# Altium PCB 2019.07.15.master.PcbDoc (part 6 of 7)
Units mm, origin at the board's own origin, x right, y up, seen from the top; angles counter-clockwise.
Board outline 160 x 120 mm, 6 copper layers (Top Signal, Top GND, Inner PWR, Inner Signal, Bottom GND, Bottom Signal), stack 1.571 mm thick; 408 components, 388 nets, 1700 pads, 1310 vias.
Unrouted connection lines stored in the file: 2.
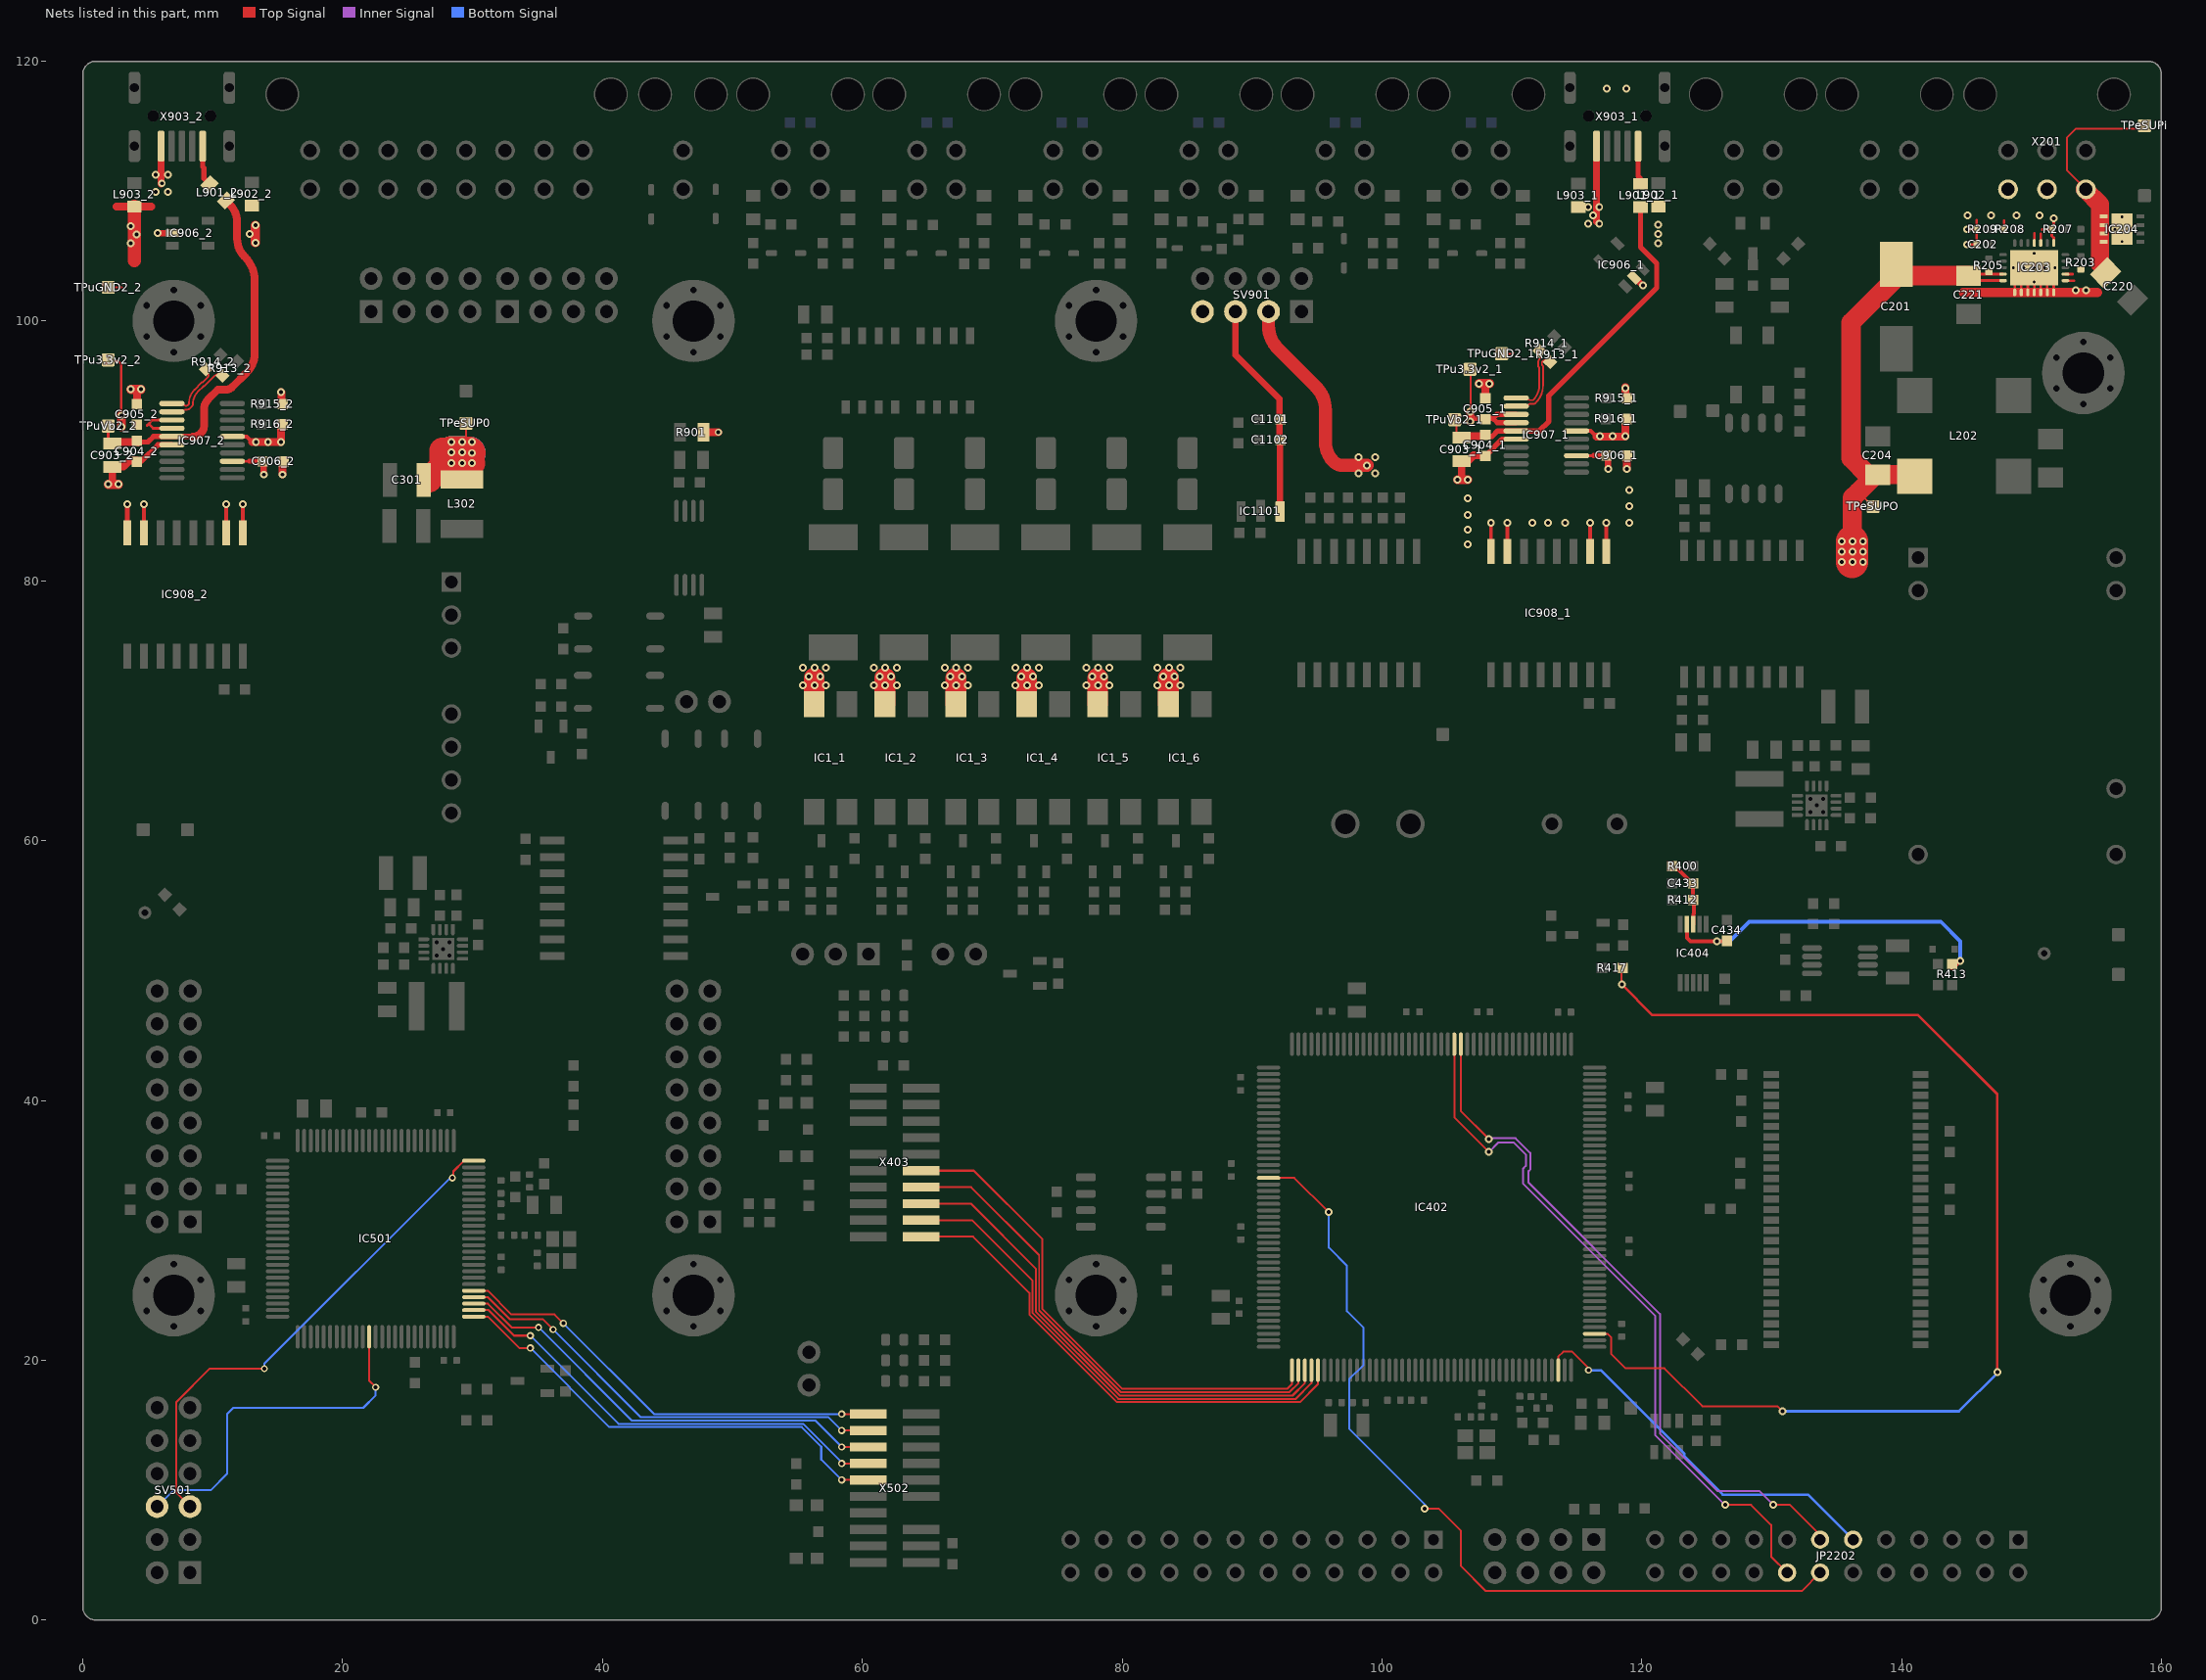
[diagram p10: the nets of this part, all layers, seen from the top]

## Via types
v1: diameter 0.6, hole 0.3, Top Signal to Bottom Signal, 988 vias
v2: diameter 0.55, hole 0.3, Top Signal to Bottom Signal, tented both sides, 231 vias
v3: diameter 0.5, hole 0.3, Top Signal to Bottom Signal, tented both sides, 42 vias
v4: diameter 0.45, hole 0.2, Top Signal to Bottom Signal, 31 vias
v5: diameter 0.55, hole 0.3, Top Signal to Bottom Signal, 12 vias
v6: diameter 0.6, hole 0.3, Top Signal to Bottom Signal, tented both sides, 5 vias
v7: diameter 0.5, hole 0.3, Top Signal to Bottom Signal, 1 vias

## Nets (pads, with @x,y where several pads share a name; then routed paths per layer and width w, separated by ;. In a path a pad name is that pad's centre, name@x,y a point inside that pad or via, vN(x,y) a via of type N, cw(c..) or ccw(c..) an arc to the next point about the centre after c; other vN are vias at no path point) (continued)
PIEZO_MCU_0_PWM: IC402.47 R417.2 | length 90.7
  Top Signal w0.15: IC402.47@116.372,22.034 117.374,22.034 117.638,21.769 117.638,20.498 118.756,19.38 121.741,19.38 124.662,16.459 130.429,16.459 v1(130.824,16.064) v1@130.886,16.002 ; R417.2@118.429,50.185 118.429,48.957 v1(118.466,48.92)
  Top Signal w0.2: v1(118.466,48.92) 120.815,46.571 141.266,46.571 147.365,40.472 v1(147.365,19.101)
  Bottom Signal w0.2: v1(130.824,16.064) 144.41,16.064 v1@147.447,19.101
RS485_MCU_0_DE: IC402.107 JP2202.16 | length 54.8
  Top Signal w0.15: IC402.107@105.573,44.334 105.573,38.702 v1(108.238,36.037) ; v1(126.438,8.865) 128.422,8.865 129.966,7.321 129.966,4.876 JP2202.16@131.192,3.65
  Inner Signal w0.15: v1(108.238,36.037) 108.944,36.744 110.151,36.744 111.073,35.822 111.073,34.962 110.871,34.761 110.871,33.59 121.049,23.413 121.049,14.205 v1@126.414,8.84
RS485_MCU_0_NRE: IC402.106 JP2202.13 | length 53.7
  Top Signal w0.15: IC402.106@106.072,44.334 106.072,39.189 v1(108.236,37.025) ; v1(130.124,8.865) 131.42,8.865 133.732,6.552 JP2202.13@133.732,6.19
  Inner Signal w0.15: v1(108.236,37.025) 108.305,37.094 110.296,37.094 111.426,35.964 111.426,34.68 111.28,34.535 111.28,33.677 121.399,23.558 121.399,14.35 125.818,9.931 129.058,9.931 v1(130.124,8.865)
RS485_MCU_0_RX: IC402.150 JP2202.14 | length 67.9
  Top Signal w0.15: IC402.150@91.273,34.034 93.25,34.034 95.91,31.373 v1(95.91,31.395)
  Top Signal w0.152: v1(103.278,8.558) 104.396,8.558 106.07,6.883 106.07,4.166 108.001,2.235 132.317,2.235 JP2202.14@133.732,3.65
  Bottom Signal w0.15: v1(95.91,31.395) 95.91,28.666 97.315,27.262 97.315,26.506 97.307,26.499 97.307,23.774 98.582,22.5 98.582,19.64 97.472,18.531 97.472,14.731 103.351,8.853 v1@103.351,8.549
RS485_MCU_0_TX: IC402.42 JP2202.11 | length 30.1
  Top Signal w0.152: IC402.42@113.572,19.234 113.572,20.269 113.958,20.654 114.638,20.654 115.898,19.395 v5(115.898,19.228)
  Bottom Signal w0.2: v5(115.898,19.228) 116.865,19.228 123.293,12.8 123.293,12.594 126.235,9.652 132.81,9.652 JP2202.11@136.272,6.19
RTN_EXT_0: C202.2 IC203.1 IC203.2 IC203.3 IC203.4 IC203.5 IC203.6 IC203.7 IC203.13 IC203.15 IC203.16 IC203.25 IC203.V R207.1 R208.1 R209.1 | length 33.3
  Top Signal w0.2: v1(145.059,105.893) C202.2@145.779,105.893 R209.1@145.779,107.061 ; v1(145.059,107.061) R209.1@145.779,107.061 ; 145.779,107.772 R209.1@145.779,107.061 ; 147.879,107.747 147.879,107.066 R208.1@147.884,107.061 ; IC203.1@148.714,102.21 148.714,102.86 149.964,104.11 IC203.25@150.214,104.11 ; IC203.2@149.214,102.21 149.214,103.11 IC203.25@149.714,103.61 ; IC203.3@149.714,102.21 IC203.25@149.714,103.61 ; IC203.4@150.214,102.21 IC203.25@150.214,104.11 ; IC203.16@150.214,106.01 150.214,106.746 ; IC203.5@150.714,102.21 IC203.25@150.714,103.61 ; IC203.15@150.714,106.01 150.714,106.719 ; 150.82,107.036 150.845,107.061 R207.1@151.57,107.061 ; IC203.6@151.214,102.21 151.214,103.11 IC203.25@150.714,103.61 ; R207.1@151.502,107.129 R207.1@151.57,107.061 ; IC203.7@151.714,102.21 151.714,102.86 150.464,104.11 IC203.25@150.214,104.11 ; IC203.13@151.714,106.01 151.714,106.411 151.57,106.556 R207.1@151.57,107.061 ; v1(151.714,107.907) 151.714,107.205 R207.1@151.57,107.061 ; IC203.25@149.714,103.61 IC203.25@150.214,104.11 ; IC203.25@150.214,104.11 IC203.25@150.714,103.61
  Top Signal w0.7: 144.743,102.21 IC203.1@148.714,102.21 IC203.2@149.214,102.21 IC203.3@149.714,102.21 IC203.4@150.214,102.21 IC203.5@150.714,102.21 IC203.6@151.214,102.21 IC203.7@151.714,102.21 155.093,102.21
  other v1: 153.427,102.354 154.198,102.354 145.077,108.136 146.878,108.136 148.841,108.136 150.609,108.136
SUPPLY_EXT_0: C201.1 C204.2 C221.2 C301.2 IC203.23 IC203.24 L202.1 L302.1 R205.2 SV901.3 TPeSUP0.1 TPeSUPO.1 | length 68.4
  Top Signal w0.1: v1@29.257,89.884 29.257,89.886 29.5,90.129
  Top Signal w0.15: 29.5,90.129 TPeSUP0.1@29.5,92.126 ; 136.207,86.381 137.139,86.381 TPeSUPO.1@137.802,85.718
  Top Signal w0.225: C221.2@145.167,103.11 IC203.24@147.814,103.11 ; C221.2@145.167,103.613 147.409,103.613 147.413,103.61 IC203.23@147.814,103.61
  Top Signal w1: SV901.3@91.27,100.73 91.27,99.647 ccw(c93.81,99.647) 92.014,97.851 94.911,94.954 cw(c93.115,93.158) 95.655,93.158 95.655,90.664 ccw(c97.716,90.664) 96.259,89.207 96.317,89.149 ccw(c96.94,89.772) 96.94,88.891 98.196,88.891 v1@98.857,88.891
  Top Signal w1.5: v1@136.198,82.269 136.207,82.279 136.207,83.038 136.207,86.381 136.673,86.847 137.963,88.137 137.988,88.162 C204.2@138.163,88.162 ; L202.1@140.538,88.178 138.163,88.178 137.374,88.178 136.113,89.439 136.113,99.874 139.727,103.488 C221.2@145.167,103.488
  Top Signal w2: C301.2@26.645,87.808 27.68,88.844 27.68,90.012 27.684,90.008 28.493,89.199 29.296,88.395 v1(29.954,89.052)
  Top Signal w2.5: v1(28.379,89.891) v1(29.185,89.891) 29.257,89.884 v1@29.766,89.84 ; v1@136.198,81.464 136.198,82.269 v1@136.198,83.038
  Bottom Signal w2.5: v1(28.379,89.891) v1(29.185,89.891) 29.257,89.884 v1@29.766,89.84
  other v1: 135.385,81.464 136.21,81.464 137.036,81.464 135.385,82.251 136.21,82.251 137.036,82.251 135.385,83.038 136.21,83.038 137.036,83.038 98.196,88.26 99.466,88.26 98.831,88.893 28.379,89.052 29.185,89.052 98.196,89.527 99.466,89.527 29.954,89.84 28.379,90.703 29.185,90.703 29.954,90.703
SUPPLY_EXT_0_IN: C220.2 IC203.8 IC203.9 IC204.1 IC204.2 IC204.3 IC204.4 R203.2 TPeSUPi.1 X201.6 | length 19.2
  Top Signal w0.15: X201.6@154.198,110.14 152.73,111.608 152.73,114.122 153.416,114.808 158.471,114.808 TPeSUPi.1@158.699,115.037
  Top Signal w0.2: IC203.8@152.614,103.11 153.273,103.11 ; IC203.9@152.614,103.61 153.162,103.61
  Top Signal w1.4: X201.6@154.114,110.145 154.158,110.101 155.27,108.989 155.27,108.046 155.27,107.396 155.27,106.746 155.27,106.096 155.27,104.4 155.655,104.016 155.655,103.91 C220.2@155.531,103.786
SUPPLY_EXT_2: C1101.1 C1102.1 IC1_1.4 IC1_2.4 IC1_3.4 IC1_4.4 IC1_5.4 IC1_6.4 IC1101.3 R901.2 SV901.5 SV901.7 X201.4 X201.5 | length 29.9
  Top Signal w0.5: SV901.5@88.73,100.73 88.73,97.391 92.111,94.009 92.111,91.999 92.162,90.325 IC1101.3@92.162,85.442
  Top Signal w0.6: R901.2@47.713,91.44 R901.2@47.763,91.44 v2(48.927,91.44)
  Top Signal w1.6: IC1_1.4@56.286,70.52 56.286,72.517 ; IC1_2.4@61.743,70.52 61.743,72.517 ; IC1_3.4@67.199,70.52 67.199,72.517 ; IC1_4.4@72.655,70.52 72.655,72.517 ; IC1_5.4@78.111,70.52 78.111,72.517 ; IC1_6.4@83.567,70.52 83.567,72.517
  other v1: 55.43,71.953 56.321,71.953 57.213,71.953 60.886,71.953 61.777,71.953 62.669,71.953 66.342,71.953 67.234,71.953 68.125,71.953 71.798,71.953 72.69,71.953 73.581,71.953 77.255,71.953 78.146,71.953 79.037,71.953 82.711,71.953 83.602,71.953 84.494,71.953 55.876,72.638 56.767,72.638 61.332,72.638 62.223,72.638 66.788,72.638 67.679,72.638 72.244,72.638 73.136,72.638 77.7,72.638 78.592,72.638 83.156,72.638 84.048,72.638 55.43,73.324 56.321,73.324 57.213,73.324 60.886,73.324 61.777,73.324 62.669,73.324 66.342,73.324 67.234,73.324 68.125,73.324 71.798,73.324 72.69,73.324 73.581,73.324 77.255,73.324 78.146,73.324 79.037,73.324 82.711,73.324 83.602,73.324 84.494,73.324
TRACECLK_MCU_0: IC402.1 X403.12 | length 40.6
  Top Signal w0.152: X403.12@64.535,34.593 68.582,34.593 73.863,29.312 73.863,23.938 80.007,17.794 92.698,17.794 93.079,18.174 93.079,19.228 IC402.1@93.073,19.234 IC402.1@93.073,18.522
TRACECLK_MCU_1: IC501.1 X502.12 | length 36
  Top Signal w0.152: IC501.1@30.293,23.354 31.189,23.354 33.603,20.94 v2(34.449,20.94) ; v2(58.42,10.78) X502.12@60.465,10.78
  Bottom Signal w0.152: v2(34.449,20.94) 40.538,14.85 55.342,14.85 56.843,13.349 56.843,12.357 v2(58.42,10.78)
TRACED0_MCU_0: IC402.2 X403.14 | length 39.4
  Top Signal w0.15: X403.14@64.535,33.323 68.379,33.323 73.612,28.09 73.612,23.834 79.906,17.54 92.874,17.54 93.572,18.238 IC402.2@93.572,19.234
TRACED0_MCU_1: IC501.2 X502.14 | length 35.1
  Top Signal w0.152: IC501.2@30.293,23.854 31.234,23.854 33.195,21.893 v2(34.449,21.893) ; v2(58.42,12.05) X502.14@60.465,12.05
  Bottom Signal w0.152: v2(34.449,21.893) 41.238,15.103 55.446,15.103 58.42,12.129 v2(58.42,12.05)
TRACED1_MCU_0: IC402.3 X403.16 | length 39
  Top Signal w0.15: X403.16@64.535,32.053 68.354,32.053 73.362,27.044 73.362,23.73 79.815,17.278 93.114,17.278 94.073,18.236 IC402.3@94.073,19.234
TRACED1_MCU_1: IC501.3 X502.16 | length 34.7
  Top Signal w0.152: IC501.3@30.293,24.354 31.182,24.354 33.009,22.528 v2(35.084,22.528) ; v2(58.42,13.32) X502.16@60.465,13.32
  Bottom Signal w0.152: v2(35.084,22.528) 42.256,15.355 56.385,15.355 v2(58.42,13.32)
TRACED2_MCU_0: IC402.4 X403.18 | length 38.7
  Top Signal w0.15: X403.18@64.535,30.783 68.455,30.783 73.112,26.126 73.112,23.627 79.711,17.028 93.379,17.028 94.572,18.221 IC402.4@94.572,19.234
TRACED2_MCU_1: IC501.4 X502.18 | length 34.4
  Top Signal w0.152: IC501.4@30.293,24.854 31.162,24.854 32.853,23.163 35.401,23.163 v2(36.195,22.369) ; v2@58.579,14.59 X502.18@60.465,14.59
  Top Signal w0.203: v2(58.42,14.59) v2@58.579,14.59
  Bottom Signal w0.152: v2(36.195,22.369) 42.956,15.608 57.402,15.608 v2(58.42,14.59)
TRACED3_MCU_0: IC402.5 X403.20 | length 38.4
  Top Signal w0.15: X403.20@64.535,29.513 68.531,29.513 72.862,25.182 72.862,23.523 79.608,16.778 93.689,16.778 95.073,18.161 IC402.5@95.073,19.234
TRACED3_MCU_1: IC501.5 X502.20 | length 34.1
  Top Signal w0.152: IC501.5@30.293,25.354 31.166,25.354 32.999,23.52 36.313,23.52 v2(36.989,22.845) ; v2(58.42,15.86) X502.20@60.465,15.86
  Bottom Signal w0.152: v2(36.989,22.845) 43.974,15.86 v2(58.42,15.86)
U_1_N: IC907_1.12 R913_1.1 | length 5.6
  Top Signal w0.14: IC907_1.12@110.333,93.447 111.027,93.447 ccw(c111.027,93.739) IC907_1.12@111.234,93.532 ; IC907_1.12@111.234,93.532 cw(c111.441,93.325) 111.441,93.618 111.634,93.618 ccw(c111.634,93.908) 111.839,93.703 ; 111.84,93.704 ccw(c110.468,95.075) 112.408,95.075 112.408,96.47 ccw(c112.25,96.47) 112.361,96.582 cw(c112.473,96.693) 112.315,96.693 112.315,96.754 cw(c112.536,96.754) 112.38,96.91 cw(c112.536,96.754) 112.536,96.975 112.87,96.975 cw(c112.87,96.766) R913_1.1@113.018,96.914
U_1_P: IC907_1.11 R914_1.1 | length 5.4
  Top Signal w0.14: IC907_1.11@110.333,94.082 111.027,94.082 cw(c111.027,93.789) IC907_1.11@111.234,93.996 ; IC907_1.11@111.234,93.996 ccw(c111.441,94.203) 111.441,93.91 111.633,93.91 ccw(c110.468,95.075) 112.116,95.075 112.116,96.349 ccw(c111.957,96.349) 112.069,96.461 cw(c112.181,96.572) 112.023,96.572 112.023,96.798 cw(c112.429,96.798) 112.142,97.086 ccw(c111.855,97.373) 112.261,97.373 112.261,97.63 ccw(c112.052,97.63) R914_1.1@112.2,97.778
U_2_N: IC907_2.12 R913_2.1 | length 5.4
  Top Signal w0.14: IC907_2.12@6.858,93.015 7.552,93.015 ccw(c7.552,93.307) IC907_2.12@7.759,93.101 ; IC907_2.12@7.759,93.101 cw(c7.966,92.894) 7.966,93.186 8.042,93.186 ccw(c8.042,93.476) 8.247,93.271 8.389,93.414 ccw(c8.184,93.619) 8.474,93.619 cw(c9.826,93.619) 8.87,94.575 9.269,94.973 cw(c9.314,94.928) 9.314,94.992 ccw(c9.314,95.055) 9.359,95.01 10.082,95.734 cw(c10.519,95.297) 10.519,95.915 10.698,95.915 cw(c10.698,95.728) R913_2.1@10.83,95.86
U_2_P: IC907_2.11 R914_2.1 | length 4.8
  Top Signal w0.14: IC907_2.11@6.858,93.65 7.552,93.65 cw(c7.552,93.357) 7.759,93.564 7.776,93.548 ccw(c7.943,93.715) 7.943,93.478 ccw(c7.943,93.715) 8.11,93.548 ccw(c7.935,93.722) 8.182,93.722 cw(c9.577,93.722) 8.591,94.708 9.148,95.265 cw(c9.193,95.22) 9.193,95.284 ccw(c9.193,95.347) 9.238,95.302 9.628,95.693 ccw(c9.53,95.792) 9.669,95.792 9.669,95.836 ccw(c9.635,95.836) 9.659,95.86 ; R914_2.1@9.538,96.355 cw(c9.27,96.087) 9.649,96.087 9.649,95.885 ccw(c9.684,95.885) 9.659,95.86
USART_MCU_1_RX: IC501.87 SV501.6 | length 27.6
  Top Signal w0.152: IC501.87@22.043,21.604 22.043,18.424 v2(22.543,17.924)
  Bottom Signal w0.152: SV501.6@5.715,8.73 6.971,9.986 9.842,9.986 11.112,11.256 11.112,15.86 11.589,16.336 21.59,16.336 22.543,17.289 v2(22.543,17.924)
USART_MCU_1_TX: IC501.25 SV501.5 | length 39.7
  Top Signal w0.152: SV501.5@8.255,8.73 7.204,9.781 7.204,16.785 9.771,19.353 v2(13.97,19.353) ; v2(28.448,34.036) 28.524,34.112 28.524,34.535 29.342,35.354 IC501.25@30.092,35.354 IC501.25@30.293,35.354
  Bottom Signal w0.152: v2(13.97,19.353) 13.97,19.726 28.204,33.96 28.372,33.96 v2(28.448,34.036)
USB_+3.3V_1: C905_1.1 C906_1.1 IC907_1.3 IC907_1.13 IC907_1.14 IC908_1.1 IC908_1.7 TPu3.3v2_1.1 | length 18.2
  Top Signal w0.15: TPu3.3v2_1.1@106.783,96.29 106.832,96.24 v1@106.832,92.913 ; v1(106.807,92.278) 106.82,92.291 v1@106.82,92.901
  Top Signal w0.2: IC907_1.3@114.983,89.637 116.269,89.637 116.288,89.655
  Top Signal w0.3: IC908_1.7@109.666,82.269 v1(109.666,84.464) ; IC908_1.1@117.286,82.269 v1(117.286,84.464) ; C906_1.1@117.362,89.637 117.362,89.655 C906_1.1@117.362,89.737
  Top Signal w0.4: v1@106.863,92.518 108.541,92.518 ; IC907_1.14@110.333,92.177 108.883,92.177 108.541,92.518 ; IC907_1.13@110.333,92.812 108.834,92.812 108.541,92.518 ; 116.288,89.655 117.362,89.655 C906_1.1@117.387,89.655
  Top Signal w0.5: C906_1.1@117.387,89.655 117.405,89.637 v1@117.405,88.614
  Top Signal w0.6: v1(106.796,93.019) 106.796,92.289 v1(106.807,92.278)
  other v1: 117.405,88.613
USB_+3.3V_2: C905_2.1 C906_2.1 IC907_2.3 IC907_2.13 IC907_2.14 IC908_2.1 IC908_2.7 TPu3.3v2_2.1 | length 17.3
  Top Signal w0.2: TPu3.3v2_2.1@2.413,96.925 2.705,96.925 2.958,96.672 v1(2.958,92.735) ; 4.953,91.973 5.066,92.087 ; IC907_2.14@6.858,91.745 5.408,91.745 5.066,92.087 ; IC907_2.13@6.858,92.38 5.359,92.38 5.066,92.087 ; IC907_2.3@11.508,89.205 12.794,89.205 12.813,89.224
  Top Signal w0.3: IC908_2.7@4.699,83.693 v1(4.699,85.888) ; IC908_2.1@12.319,83.693 v1(12.319,85.888)
  Top Signal w0.4: 12.813,89.224 C906_2.1@13.912,89.224
  Top Signal w0.5: C906_2.1@13.912,89.224 13.931,89.205 13.931,88.182 v1(13.93,88.181)
  Top Signal w0.7: v1(2.958,92.735) 2.972,92.722 v1(2.972,91.872)
USB_+VBUS_1: C903_1.1 C904_1.1 IC907_1.15 L901_1.2 TPuVb2_1.1 | length 29.1
  Top Signal w0.15: C903_1.1@105.752,90.971 TPuVb2_1.1@105.752,92.562
  Top Signal w0.2: C903_1.1@105.738,91.102 C903_1.1@105.752,90.971 ; C904_1.1@107.756,90.891 C904_1.1@107.837,90.972
  Top Signal w0.4: C904_1.1@107.64,91.124 108.492,91.124 108.91,91.542 IC907_1.15@110.333,91.542 112.116,91.542 112.852,92.278 112.852,94.259 121.153,102.56 121.153,104.436 119.908,105.68 L901_1.2@119.908,108.366
  Top Signal w0.6: C903_1.1@106.066,91.068 C903_1.1@106.071,91.073 ; C903_1.1@106.133,91.124 C904_1.1@107.64,91.124
USB_+VBUS_2: C903_2.1 C904_2.1 IC907_2.15 L901_2.2 TPuVb2_2.1 | length 28.6
  Top Signal w0.2: C903_2.1@1.954,90.692 TPuVb2_2.1@1.954,91.921 ; C904_2.1@4.281,90.459 C904_2.1@4.362,90.54
  Top Signal w0.4: C904_2.1@4.166,90.692 5.018,90.692 5.436,91.11 IC907_2.15@6.858,91.11 8.474,91.11
  Top Signal w0.6: C903_2.1@2.273,90.687 2.278,90.692 C904_2.1@4.166,90.692 ; 8.474,91.11 8.477,91.11 ccw(c8.477,91.977) 9.091,91.364 ccw(c8.509,91.945) 9.331,91.945 9.331,93.186 cw(c10.473,93.186) 9.666,93.993 10.381,94.708 10.977,94.708 ccw(c10.977,95.459) 11.508,94.928 12.624,96.044 ccw(c11.154,97.515) 13.233,97.515 13.233,103.121 ccw(c10.693,103.121) 12.489,104.917 12.448,104.959 cw(c13.831,106.343) 11.874,106.343 11.874,107.627 ccw(c9.952,107.627) L901_2.2@11.311,108.987
USB_GND_1: C903_1.2 C904_1.2 C905_1.2 C906_1.2 IC906_1.2 IC907_1.6 IC907_1.16 IC908_1.2 IC908_1.8 L902_1.1 L903_1.1 R915_1.2 R916_1.2 TPuGND2_1.1 X903_1.5 | length 29.1
  Top Signal w0.152: TPuGND2_1.1@109.22,97.485 110.052,97.485 110.116,97.55
  Top Signal w0.3: IC908_1.8@108.396,82.269 v1(108.396,84.464) ; IC907_1.6@114.983,91.542 116.08,91.542 v1@116.503,91.119 ; IC908_1.2@116.016,82.269 v1(116.016,84.464) ; 117.28,91.188 117.38,91.188 ; R916_1.2@118.571,92.297 118.735,92.461 R916_1.2@118.755,92.481
  Top Signal w0.4: C904_1.2@107.64,89.674 108.023,89.674 109.256,90.907 IC907_1.16@110.333,90.907
  Top Signal w0.5: v1@116.52,107.62 X903_1.5@116.52,113.464 ; IC906_1.2@119.412,103.346 119.464,103.346 120.077,102.732 v1(120.104,102.732)
  Top Signal w0.6: C903_1.2@105.898,89.219 106.609,89.219 107.064,89.674 C904_1.2@107.64,89.674 ; 106.209,87.791 106.133,87.866 106.133,88.999 C903_1.2@106.283,89.149 ; 107.884,95.18 107.959,95.105 C905_1.2@107.959,93.972 ; v1@116.503,91.119 v1@118.735,91.119 ; v1(118.735,91.124) R916_1.2@118.735,92.461 ; v1(118.745,94.844) 118.745,94.917 118.755,94.927 R915_1.2@118.755,94.031 ; v1(118.855,88.613) C906_1.2@118.855,89.637
  Top Signal w0.7: v1(105.815,87.791) 106.209,87.791 v1(106.602,87.791) ; v1(107.49,95.18) 107.884,95.18 v1(108.277,95.18)
  other v1: 106.609,82.823 106.609,83.95 111.575,84.464 112.801,84.464 114.115,84.464 119.054,84.464 106.609,85.077 119.054,85.734 106.609,86.347 119.054,87.004 116.791,91.124 117.754,91.124 121.274,105.986 121.274,106.707 121.252,107.428 115.86,107.511 116.726,107.511 116.241,108.14 115.86,108.768 116.726,108.768 117.311,117.881 118.811,117.881
USB_GND_2: C903_2.2 C904_2.2 C905_2.2 C906_2.2 IC906_2.2 IC907_2.6 IC907_2.16 IC908_2.2 IC908_2.8 L902_2.1 L903_2.1 R915_2.2 R916_2.2 TPuGND2_2.1 X903_2.5 | length 34.6
  Top Signal w0.152: TPuGND2_2.1@1.954,102.589 2.999,102.589
  Top Signal w0.3: IC908_2.2@11.049,83.693 v1(11.049,85.888) ; IC907_2.6@11.508,91.11 12.605,91.11 v1@13.028,90.687 ; R916_2.2@15.096,91.866 15.26,92.03 R916_2.2@15.28,92.05
  Top Signal w0.4: IC908_2.8@3.429,83.693 v1(3.429,85.888) ; C904_2.2@4.166,89.242 4.548,89.242 5.781,90.475 IC907_2.16@6.858,90.475
  Top Signal w0.5: v1(5.772,106.766) IC906_2.2@6.887,106.766 ; v1@6.025,110.546 X903_2.5@6.025,113.464
  Top Signal w0.6: 2.348,87.429 2.273,87.504 2.273,88.637 2.423,88.787 3.134,88.787 3.589,89.242 C904_2.2@4.166,89.242 ; 2.585,108.828 L903_2.1@3.975,108.828 5.274,108.828 ; 3.966,104.649 3.975,104.658 ; 4.091,94.744 4.166,94.669 C905_2.2@4.166,93.537 ; v1@13.028,90.687 v1@15.26,90.687 ; v1(15.26,90.692) R916_2.2@15.26,92.03 ; v1(15.26,94.516) 15.28,94.496 R915_2.2@15.28,93.599 ; v1(15.381,88.181) C906_2.2@15.381,89.205
  Top Signal w0.7: v1(1.954,87.429) 2.348,87.429 v1(2.742,87.429) ; v1(3.697,94.744) 4.091,94.744 v1(4.484,94.744) ; v1(13.283,106.028) v1(13.283,107.374)
  Top Signal w1: 3.975,104.658 L903_2.1@3.975,108.828
  other v1: 13.316,90.692 14.257,90.692 3.697,105.977 4.152,106.65 12.827,106.701 3.697,107.323 5.625,109.931 6.536,109.931 6.081,110.604 5.625,111.277 6.536,111.277
USB_VBUS_1: L901_1.1 X903_1.1 | length 2.6
  Top Signal w0.4: X903_1.1@119.72,113.464 119.72,111.155 L901_1.1@119.908,110.966
USB_VBUS_2: L901_2.1 X903_2.1 | length 2.7
  Top Signal w0.4: X903_2.1@9.225,113.464 9.225,111.882 9.331,111.775 9.331,110.966 L901_2.1@9.473,110.825
VBU_MON: C434.2 IC404.4 R413.1 | length 26.3
  Top Signal w0.3: IC404.4@123.475,53.583 123.475,52.514 123.749,52.239 v1(125.785,52.239) C434.2@126.177,52.239 ; R413.1@143.891,50.157 143.916,50.157 144.016,50.257 144.219,50.461 144.255,50.461 v1(144.524,50.73)
  Bottom Signal w0.3: v1(125.785,52.239) 126.768,52.239 128.276,53.746 143.027,53.746 144.524,52.249 v1(144.524,50.73)
VIN_MON: C433.2 IC404.3 R400.1 R412.2 | length 5.3
  Top Signal w0.3: R400.1@122.35,58.042 122.555,58.042 123.95,56.646 123.95,55.478 124.031,55.397 124.031,54.391 123.975,54.334 IC404.3@123.975,53.583
ZHS: IC204.9 IC204.V
pads on no net: Designator15.0 Designator16.0 Designator17.0 Designator18.0 Designator19.0 Designator20.0 Designator21.0 Designator22.0 IC202.11 IC203.11 IC203.14 IC203.21 IC302.3 IC302.5 IC302.8 IC402.12 IC402.13 IC402.28 IC402.43 IC402.46 IC402.110 IC402.151 IC402.176 IC501.7 IC501.8 IC501.9 IC501.15 IC501.16 IC501.23 IC501.24 IC501.26 IC501.33 IC501.34 IC501.35 IC501.36 IC501.38 IC501.39 IC501.40 IC501.41 IC501.42 IC501.43 IC501.44 IC501.45 IC501.46 IC501.55 IC501.56 IC501.57 IC501.58 IC501.59 IC501.60 IC501.61 IC501.62 IC501.63 IC501.64 IC501.65 IC501.66 IC501.67 IC501.68 IC501.88 IC501.92 IC501.93 IC501.95 IC501.96 IC501.97 IC501.98 IC802.7 IC802.14 IC901.2 IC901.3 IC901.5 IC901.7 IC901.8 IC906_1.1 IC906_1.3 IC906_2.1 IC906_2.3 IC907_1.5 IC907_1.8 IC907_1.10 IC907_1.17 IC907_1.18 IC907_1.19 IC907_2.5 IC907_2.8 IC907_2.10 IC907_2.17 IC907_2.18 IC907_2.19 IC1801.36 IC1801.40 JP2201.7 JP2201.23 JP2202.23 Q401.4 Q501.4 S401.5 S501.5 SV1602.13 SV1602.14 SV1602.15 SV1602.16 SV1604.13 SV1604.14 SV1604.15 SV1604.16 X201.MH1 X801.1 X801.MH1 X801.MH2 X802.1 X802.MH1 X802.MH2 X901.MH1 X903_1.4 X903_1.X X903_1.Y X903_2.4 X903_2.X X903_2.Y X1201.MH1 X1201.MH2 X1202.MH1 X1202.MH2 X1203.MH1 X1203.MH2 X1204.MH1 X1204.MH2 X1205.MH1 X1205.MH2 X1206.MH1 X1206.MH2 X1601.MH1